# KiCad board FrontEnd_5G.kicad_pcb (continued)
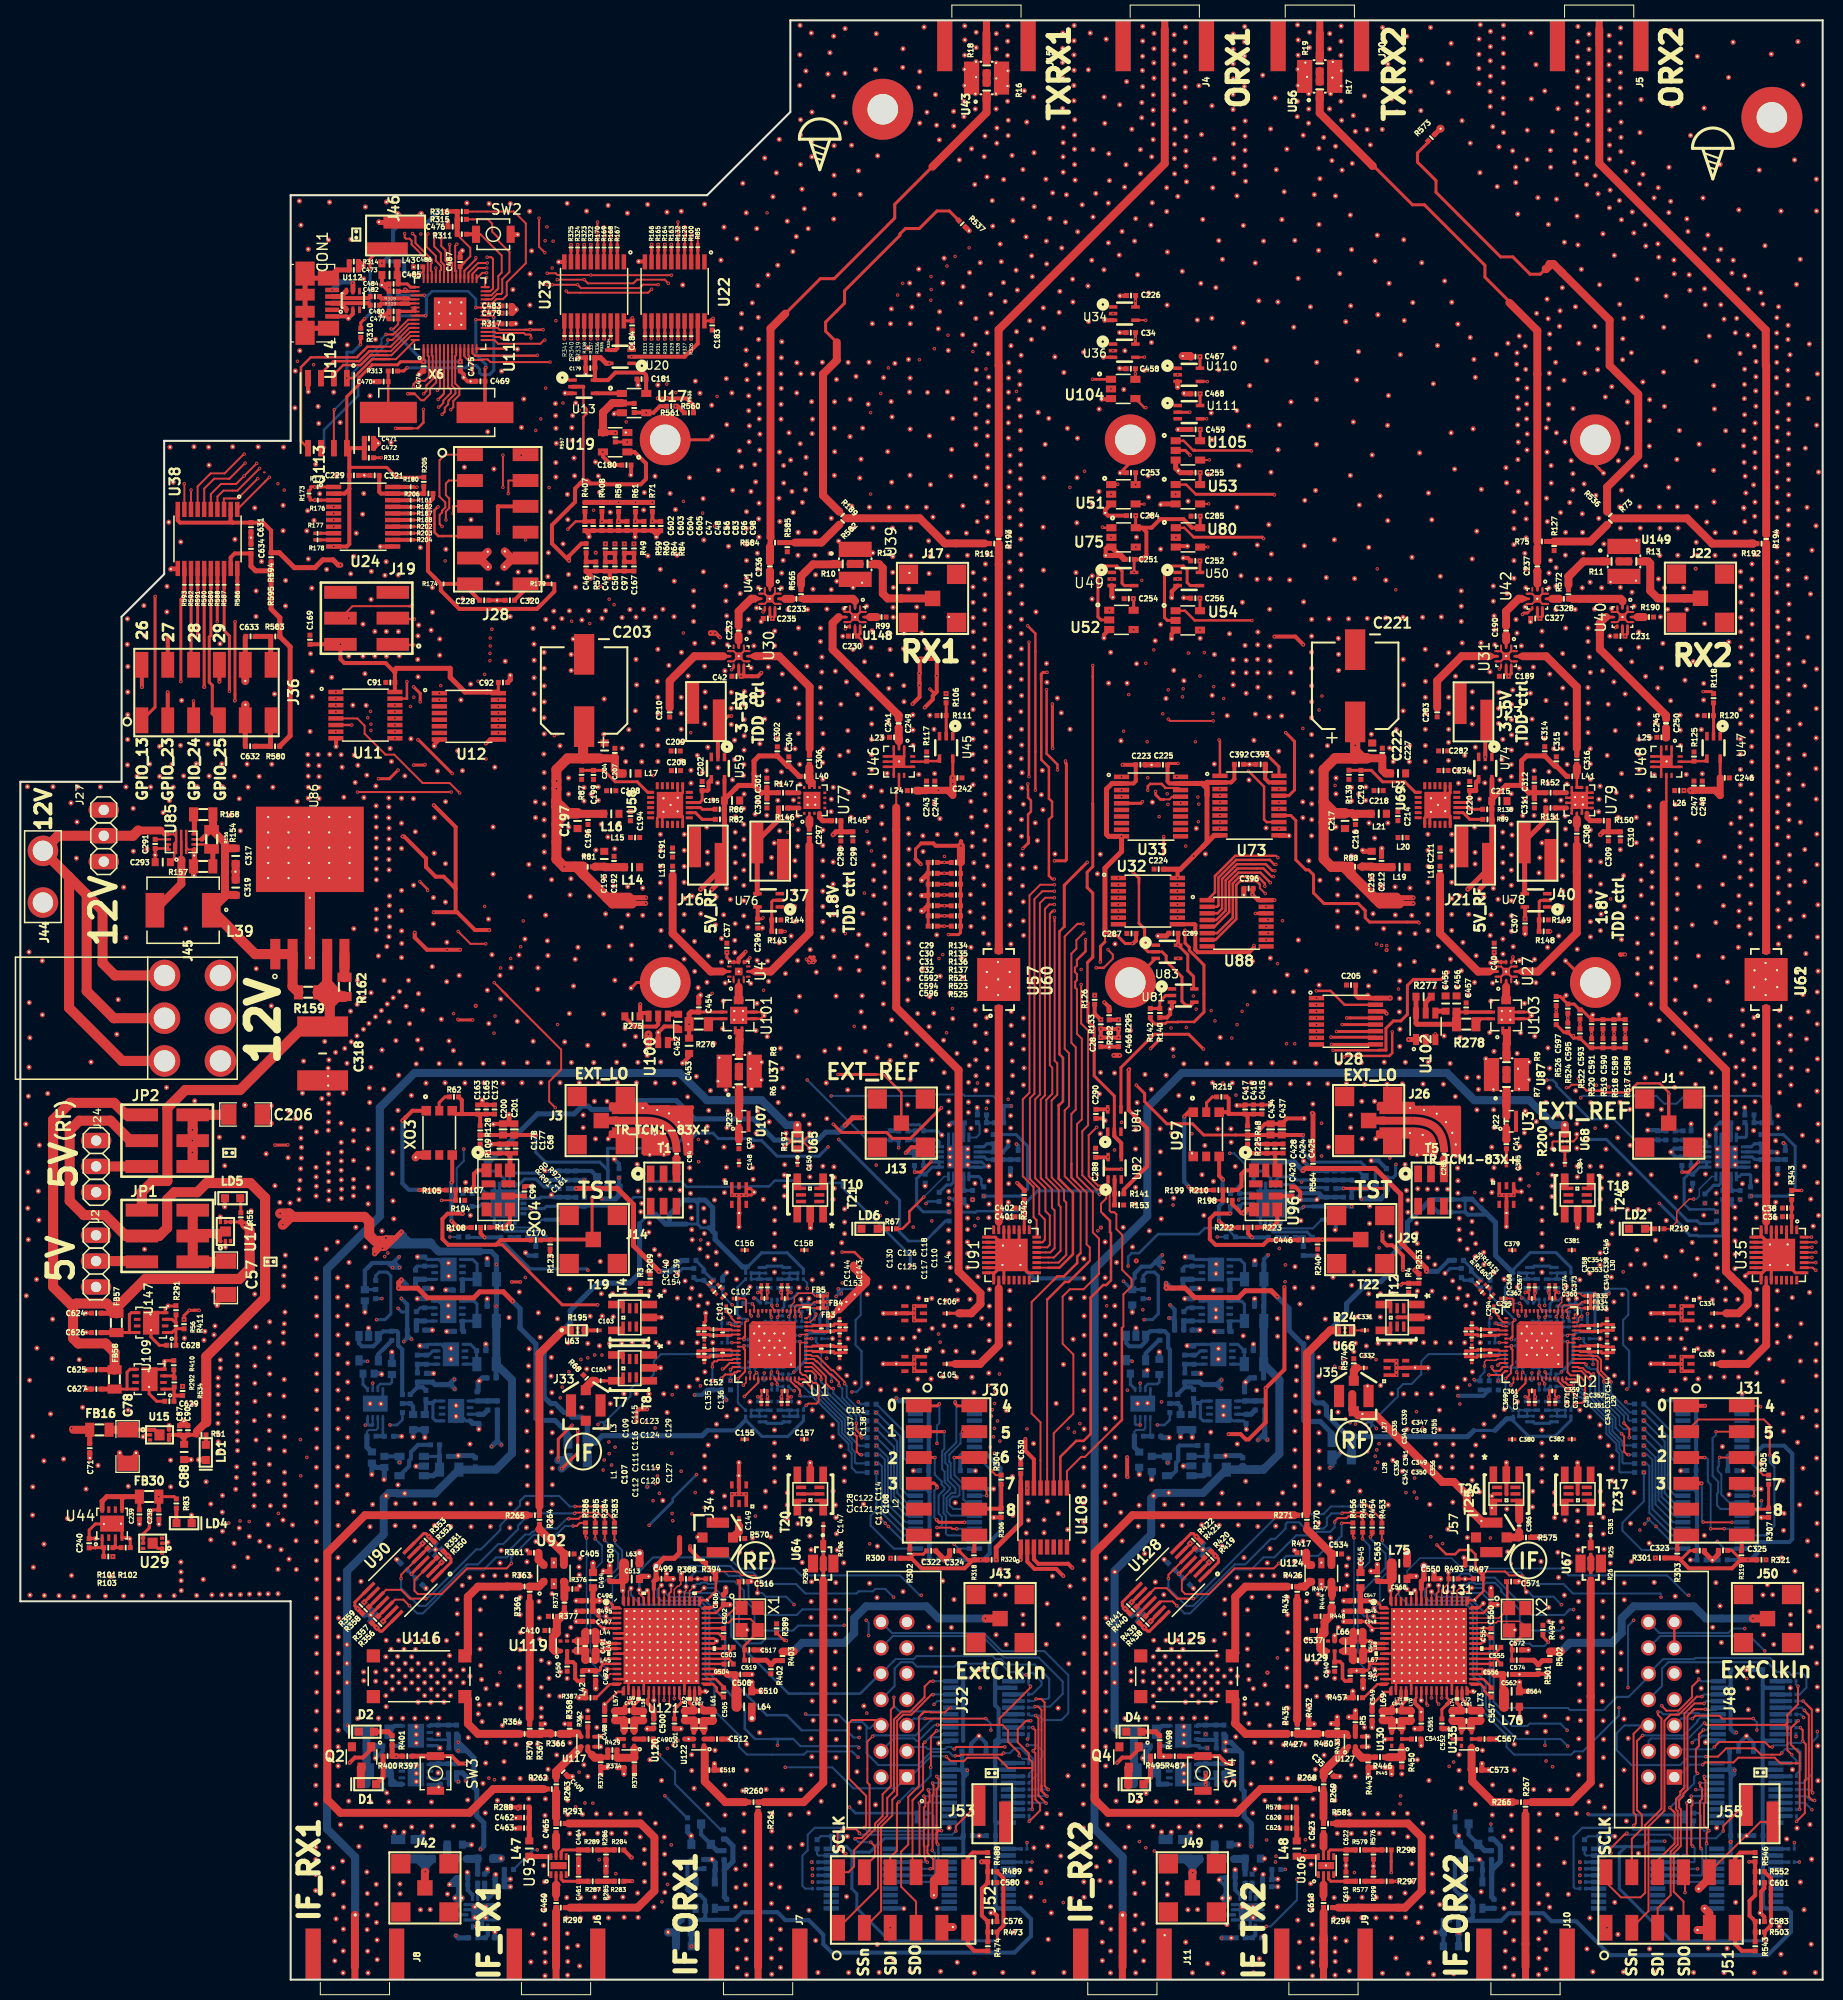
[diagram p0: board, top side]
## Placement (name value [footprint] x y rotation side) (continued)
GND_VIA#658  VAL**  [GND_VIA#3]  135.59 96.45 90 top
GND_VIA#659  VAL**  [GND_VIA#3]  135.59 91.73 90 top
GND_VIA#660  VAL**  [GND_VIA#3]  135.61 93.42 90 top
GND_VIA#661  VAL**  [GND_VIA#3]  135.56 95.12 90 top
GND_VIA#662  VAL**  [GND_VIA#3]  135.59 101.31 90 top
GND_VIA#663  VAL**  [GND_VIA#3]  135.59 99.75 90 top
GND_VIA#664  VAL**  [GND_VIA#3]  135.59 98.17 90 top
GND_VIA#665  VAL**  [GND_VIA#3]  135.59 102.89 90 top
GND_VIA#666  VAL**  [GND_VIA#3]  126.94 128.9 90 top
GND_VIA#667  VAL**  [GND_VIA#3]  126.93 130.48 90 top
GND_VIA#668  VAL**  [GND_VIA#3]  126.94 132.05 90 top
GND_VIA#669  VAL**  [GND_VIA#3]  126.94 125.61 90 top
GND_VIA#670  VAL**  [GND_VIA#3]  126.93 124.03 90 top
GND_VIA#671  VAL**  [GND_VIA#3]  126.93 122.38 90 top
GND_VIA#672  VAL**  [GND_VIA#3]  126.94 127.18 90 top
GND_VIA#673  VAL**  [GND_VIA#3]  132.41 133.8 90 top
GND_VIA#674  VAL**  [GND_VIA#3]  126.94 133.7 90 top
GND_VIA#675  VAL**  [GND_VIA#3]  128.66 133.75 90 top
GND_VIA#676  VAL**  [GND_VIA#3]  130.56 133.75 90 top
GND_VIA#677  VAL**  [GND_VIA#3]  137.84 133.91 90 top
GND_VIA#678  VAL**  [GND_VIA#3]  135.94 133.91 90 top
GND_VIA#679  VAL**  [GND_VIA#3]  134.22 133.84 90 top
GND_VIA#680  VAL**  [GND_VIA#3]  139.69 133.95 90 top
GND_VIA#681  VAL**  [GND_VIA#3]  146.83 144.28 90 top
GND_VIA#682  VAL**  [GND_VIA#3]  146.83 142.62 90 top
GND_VIA#683  VAL**  [GND_VIA#3]  146.81 141.06 90 top
GND_VIA#684  VAL**  [GND_VIA#3]  146.83 139.48 90 top
GND_VIA#685  VAL**  [GND_VIA#3]  159.33 106.58 90 top
GND_VIA#686  VAL**  [GND_VIA#3]  159.33 108.06 90 top
GND_VIA#687  VAL**  [GND_VIA#3]  159.33 109.56 90 top
GND_VIA#688  VAL**  [GND_VIA#3]  111.21 119.41 90 top
GND_VIA#689  VAL**  [GND_VIA#3]  120.83 119.45 90 top
GND_VIA#690  VAL**  [GND_VIA#3]  120.27 106.62 90 top
GND_VIA#691  VAL**  [GND_VIA#3]  90.81 89.16 90 top
GND_VIA#692  VAL**  [GND_VIA#3]  91.21 87.69 90 top
GND_VIA#693  VAL**  [GND_VIA#3]  91.26 86.39 90 top
GND_VIA#694  VAL**  [GND_VIA#3]  94.06 85.73 90 top
GND_VIA#695  VAL**  [GND_VIA#3]  93.2 86.25 90 top
GND_VIA#696  VAL**  [GND_VIA#3]  93.28 89.86 90 top
GND_VIA#697  VAL**  [GND_VIA#3]  93.21 88.2 90 top
GND_VIA#698  VAL**  [GND_VIA#3]  95.09 86.3 90 top
GND_VIA#699  VAL**  [GND_VIA#3]  94.99 91.41 90 top
GND_VIA#700  VAL**  [GND_VIA#3]  93.94 88.84 90 top
GND_VIA#701  VAL**  [GND_VIA#3]  93.93 90.41 90 top
GND_VIA#702  VAL**  [GND_VIA#3]  93.9 87.43 90 top
GND_VIA#703  VAL**  [GND_VIA#3]  95.08 87.98 90 top
GND_VIA#704  VAL**  [GND_VIA#3]  95.12 89.64 90 top
GND_VIA#705  VAL**  [GND_VIA#3]  95 94.56 90 top
GND_VIA#706  VAL**  [GND_VIA#3]  94.94 93.03 90 top
GND_VIA#707  VAL**  [GND_VIA#3]  93.83 92.14 90 top
GND_VIA#708  VAL**  [GND_VIA#3]  93.87 95.31 90 top
GND_VIA#709  VAL**  [GND_VIA#3]  93.88 93.81 90 top
GND_VIA#710  VAL**  [GND_VIA#3]  97.4 93.79 90 top
GND_VIA#711  VAL**  [GND_VIA#3]  97.41 95.17 90 top
GND_VIA#712  VAL**  [GND_VIA#3]  97.39 91.99 90 top
GND_VIA#713  VAL**  [GND_VIA#3]  98.62 92.79 90 top
GND_VIA#714  VAL**  [GND_VIA#3]  98.61 94.5 90 top
GND_VIA#715  VAL**  [GND_VIA#3]  98.67 89.61 90 top
GND_VIA#716  VAL**  [GND_VIA#3]  98.62 87.94 90 top
GND_VIA#717  VAL**  [GND_VIA#3]  97.5 87.19 90 top
GND_VIA#718  VAL**  [GND_VIA#3]  97.51 90.29 90 top
GND_VIA#719  VAL**  [GND_VIA#3]  97.55 88.86 90 top
GND_VIA#720  VAL**  [GND_VIA#3]  98.62 91.46 90 top
GND_VIA#721  VAL**  [GND_VIA#3]  97.25 99.05 90 top
GND_VIA#722  VAL**  [GND_VIA#3]  96.12 96.78 90 top
GND_VIA#723  VAL**  [GND_VIA#3]  97.27 97.56 90 top
GND_VIA#724  VAL**  [GND_VIA#3]  96.12 98.31 90 top
GND_VIA#725  VAL**  [GND_VIA#3]  96.1 100.02 90 top
GND_VIA#726  VAL**  [GND_VIA#3]  95 99.05 90 top
GND_VIA#727  VAL**  [GND_VIA#3]  94.99 97.53 90 top
GND_VIA#728  VAL**  [GND_VIA#3]  98.36 142.98 90 top
GND_VIA#729  VAL**  [GND_VIA#3]  98.37 144.48 90 top
GND_VIA#730  VAL**  [GND_VIA#3]  98.44 137.01 90 top
GND_VIA#731  VAL**  [GND_VIA#3]  98.37 138.56 90 top
GND_VIA#732  VAL**  [GND_VIA#3]  98.36 140.07 90 top
GND_VIA#733  VAL**  [GND_VIA#3]  98.34 141.59 90 top
GND_VIA#734  VAL**  [GND_VIA#3]  97.22 140.84 90 top
GND_VIA#735  VAL**  [GND_VIA#3]  97.24 139.32 90 top
GND_VIA#736  VAL**  [GND_VIA#3]  97.22 137.82 90 top
GND_VIA#737  VAL**  [GND_VIA#3]  97.23 136.24 90 top
GND_VIA#738  VAL**  [GND_VIA#3]  97.25 143.73 90 top
GND_VIA#739  VAL**  [GND_VIA#3]  97.24 142.23 90 top
GND_VIA#740  VAL**  [GND_VIA#3]  97.28 132.96 90 top
GND_VIA#741  VAL**  [GND_VIA#3]  97.3 134.46 90 top
GND_VIA#742  VAL**  [GND_VIA#3]  97.28 125.56 90 top
GND_VIA#743  VAL**  [GND_VIA#3]  97.28 127.06 90 top
GND_VIA#744  VAL**  [GND_VIA#3]  97.27 128.56 90 top
GND_VIA#745  VAL**  [GND_VIA#3]  97.28 130.06 90 top
GND_VIA#746  VAL**  [GND_VIA#3]  97.28 131.56 90 top
GND_VIA#747  VAL**  [GND_VIA#3]  97.24 123.89 90 top
GND_VIA#748  VAL**  [GND_VIA#3]  98.36 124.64 90 top
GND_VIA#749  VAL**  [GND_VIA#3]  98.4 132.31 90 top
GND_VIA#750  VAL**  [GND_VIA#3]  98.41 130.81 90 top
GND_VIA#751  VAL**  [GND_VIA#3]  98.39 129.31 90 top
GND_VIA#752  VAL**  [GND_VIA#3]  98.4 127.81 90 top
GND_VIA#753  VAL**  [GND_VIA#3]  98.42 126.21 90 top
GND_VIA#754  VAL**  [GND_VIA#3]  98.45 135.24 90 top
GND_VIA#755  VAL**  [GND_VIA#3]  98.41 133.71 90 top
GND_VIA#756  VAL**  [GND_VIA#3]  98.59 104.06 90 top
GND_VIA#757  VAL**  [GND_VIA#3]  98.62 102.64 90 top
GND_VIA#758  VAL**  [GND_VIA#3]  97.38 101.78 90 top
GND_VIA#759  VAL**  [GND_VIA#3]  97.28 103.65 90 top
GND_VIA#760  VAL**  [GND_VIA#3]  97.31 106.75 90 top
GND_VIA#761  VAL**  [GND_VIA#3]  97.27 108.24 90 top
GND_VIA#762  VAL**  [GND_VIA#3]  97.25 109.55 90 top
GND_VIA#763  VAL**  [GND_VIA#3]  97.31 105.02 90 top
GND_VIA#764  VAL**  [GND_VIA#3]  98.59 105.94 90 top
GND_VIA#765  VAL**  [GND_VIA#3]  98.47 110.56 90 top
GND_VIA#766  VAL**  [GND_VIA#3]  98.57 109.22 90 top
GND_VIA#767  VAL**  [GND_VIA#3]  98.52 107.51 90 top
GND_VIA#768  VAL**  [GND_VIA#3]  98.44 121.35 90 top
GND_VIA#769  VAL**  [GND_VIA#3]  98.42 122.9 90 top
GND_VIA#770  VAL**  [GND_VIA#3]  98.41 114.02 90 top
GND_VIA#771  VAL**  [GND_VIA#3]  98.6 115.53 90 top
GND_VIA#772  VAL**  [GND_VIA#3]  98.45 117.13 90 top
GND_VIA#773  VAL**  [GND_VIA#3]  98.47 118.63 90 top
GND_VIA#774  VAL**  [GND_VIA#3]  98.4 120 90 top
GND_VIA#775  VAL**  [GND_VIA#3]  98.42 112.38 90 top
GND_VIA#776  VAL**  [GND_VIA#3]  97.24 111.58 90 top
GND_VIA#777  VAL**  [GND_VIA#3]  97.28 119.25 90 top
GND_VIA#778  VAL**  [GND_VIA#3]  97.28 117.75 90 top
GND_VIA#779  VAL**  [GND_VIA#3]  97.27 116.25 90 top
GND_VIA#780  VAL**  [GND_VIA#3]  97.28 114.75 90 top
GND_VIA#781  VAL**  [GND_VIA#3]  97.25 113.09 90 top
GND_VIA#782  VAL**  [GND_VIA#3]  97.3 122.15 90 top
GND_VIA#783  VAL**  [GND_VIA#3]  97.28 120.65 90 top
GND_VIA#784  VAL**  [GND_VIA#3]  93.65 136.88 90 top
GND_VIA#785  VAL**  [GND_VIA#4]  93.67 138.4 90 top
GND_VIA#786  VAL**  [GND_VIA#3]  94.87 139.14 90 top
GND_VIA#787  VAL**  [GND_VIA#3]  94.81 137.66 90 top
GND_VIA#788  VAL**  [GND_VIA#3]  94.81 134.62 90 top
GND_VIA#789  VAL**  [GND_VIA#3]  94.81 136.12 90 top
GND_VIA#790  VAL**  [GND_VIA#3]  94.8 128.73 90 top
GND_VIA#791  VAL**  [GND_VIA#3]  94.78 130.23 90 top
GND_VIA#792  VAL**  [GND_VIA#3]  94.81 131.73 90 top
GND_VIA#793  VAL**  [GND_VIA#3]  94.8 133.24 90 top
GND_VIA#794  VAL**  [GND_VIA#3]  93.68 132.49 90 top
GND_VIA#795  VAL**  [GND_VIA#3]  93.69 130.98 90 top
GND_VIA#796  VAL**  [GND_VIA#3]  93.67 129.48 90 top
GND_VIA#797  VAL**  [GND_VIA#3]  93.6 127.85 90 top
GND_VIA#798  VAL**  [GND_VIA#3]  93.66 135.37 90 top
GND_VIA#799  VAL**  [GND_VIA#3]  93.66 133.87 90 top
GND_VIA#800  VAL**  [GND_VIA#3]  93.44 101.47 90 top
GND_VIA#801  VAL**  [GND_VIA#3]  93.44 103.52 90 top
GND_VIA#802  VAL**  [GND_VIA#3]  93.36 104.95 90 top
GND_VIA#803  VAL**  [GND_VIA#3]  93.4 106.65 90 top
GND_VIA#804  VAL**  [GND_VIA#3]  94.69 105.78 90 top
GND_VIA#805  VAL**  [GND_VIA#3]  94.71 104.37 90 top
GND_VIA#806  VAL**  [GND_VIA#3]  94.68 102.86 90 top
GND_VIA#807  VAL**  [GND_VIA#3]  95 113.39 90 top
GND_VIA#808  VAL**  [GND_VIA#3]  94.85 114.9 90 top
GND_VIA#809  VAL**  [GND_VIA#3]  94.72 107.59 90 top
GND_VIA#810  VAL**  [GND_VIA#3]  95.06 109.42 90 top
GND_VIA#811  VAL**  [GND_VIA#3]  94.74 110.59 90 top
GND_VIA#812  VAL**  [GND_VIA#3]  94.8 111.99 90 top
GND_VIA#813  VAL**  [GND_VIA#3]  93.56 111.39 90 top
GND_VIA#814  VAL**  [GND_VIA#3]  93.73 109.78 90 top
GND_VIA#815  VAL**  [GND_VIA#3]  93.72 108.28 90 top
GND_VIA#816  VAL**  [GND_VIA#3]  93.5 114.27 90 top
GND_VIA#817  VAL**  [GND_VIA#3]  93.62 112.74 90 top
GND_VIA#818  VAL**  [GND_VIA#3]  93.1 140 90 top
GND_VIA#819  VAL**  [GND_VIA#3]  93.66 124.84 90 top
GND_VIA#820  VAL**  [GND_VIA#3]  93.67 126.34 90 top
GND_VIA#821  VAL**  [GND_VIA#3]  93.66 117.45 90 top
GND_VIA#822  VAL**  [GND_VIA#3]  93.65 118.95 90 top
GND_VIA#823  VAL**  [GND_VIA#3]  93.64 120.45 90 top
GND_VIA#824  VAL**  [GND_VIA#3]  93.66 121.95 90 top
GND_VIA#825  VAL**  [GND_VIA#3]  93.65 123.46 90 top
GND_VIA#826  VAL**  [GND_VIA#3]  93.44 115.81 90 top
GND_VIA#827  VAL**  [GND_VIA#3]  94.82 116.52 90 top
GND_VIA#828  VAL**  [GND_VIA#3]  94.89 124.17 90 top
GND_VIA#829  VAL**  [GND_VIA#3]  94.91 122.69 90 top
GND_VIA#830  VAL**  [GND_VIA#3]  94.9 121.15 90 top
GND_VIA#831  VAL**  [GND_VIA#3]  94.9 119.73 90 top
GND_VIA#832  VAL**  [GND_VIA#3]  94.9 118.23 90 top
GND_VIA#833  VAL**  [GND_VIA#3]  94.83 127.1 90 top
GND_VIA#834  VAL**  [GND_VIA#3]  94.85 125.59 90 top
GND_VIA#835  VAL**  [GND_VIA#3]  95.08 140.07 90 top
GND_VIA#836  VAL**  [GND_VIA#3]  98.31 148.91 90 top
GND_VIA#837  VAL**  [GND_VIA#3]  98.33 150.41 90 top
GND_VIA#838  VAL**  [GND_VIA#3]  98.31 146 90 top
GND_VIA#839  VAL**  [GND_VIA#3]  98.31 147.52 90 top
GND_VIA#840  VAL**  [GND_VIA#3]  97.17 146.71 90 top
GND_VIA#841  VAL**  [GND_VIA#3]  97.19 145.25 90 top
GND_VIA#842  VAL**  [GND_VIA#3]  97.28 149.82 90 top
GND_VIA#843  VAL**  [GND_VIA#3]  97.29 148.21 90 top
GND_VIA#844  VAL**  [GND_VIA#3]  97.15 157.43 90 top
GND_VIA#845  VAL**  [GND_VIA#3]  97.16 158.93 90 top
GND_VIA#846  VAL**  [GND_VIA#3]  97.14 151.53 90 top
GND_VIA#847  VAL**  [GND_VIA#3]  97.12 153.03 90 top
GND_VIA#848  VAL**  [GND_VIA#3]  97.15 154.53 90 top
GND_VIA#849  VAL**  [GND_VIA#3]  97.14 156.04 90 top
GND_VIA#850  VAL**  [GND_VIA#3]  98.25 156.79 90 top
GND_VIA#851  VAL**  [GND_VIA#3]  98.18 155.32 90 top
GND_VIA#852  VAL**  [GND_VIA#3]  98.31 153.67 90 top
GND_VIA#853  VAL**  [GND_VIA#3]  98.3 152.25 90 top
GND_VIA#854  VAL**  [GND_VIA#3]  98.38 159.66 90 top
GND_VIA#855  VAL**  [GND_VIA#3]  98.24 158.1 90 top
GND_VIA#856  VAL**  [GND_VIA#3]  173.78 162.61 90 top
GND_VIA#857  VAL**  [GND_VIA#3]  172.84 164.43 90 top
GND_VIA#858  VAL**  [GND_VIA#3]  173.77 156.71 90 top
GND_VIA#859  VAL**  [GND_VIA#3]  173.75 158.21 90 top
GND_VIA#860  VAL**  [GND_VIA#3]  173.96 159.71 90 top
GND_VIA#861  VAL**  [GND_VIA#3]  173.77 161.22 90 top
GND_VIA#862  VAL**  [GND_VIA#3]  172.65 160.47 90 top
GND_VIA#863  VAL**  [GND_VIA#3]  172.66 158.96 90 top
GND_VIA#864  VAL**  [GND_VIA#3]  172.64 157.46 90 top
GND_VIA#865  VAL**  [GND_VIA#3]  172.65 155.96 90 top
GND_VIA#866  VAL**  [GND_VIA#3]  172.67 163.36 90 top
GND_VIA#867  VAL**  [GND_VIA#3]  172.66 161.86 90 top
GND_VIA#868  VAL**  [GND_VIA#3]  172.71 152.59 90 top
GND_VIA#869  VAL**  [GND_VIA#3]  172.72 154.09 90 top
GND_VIA#870  VAL**  [GND_VIA#3]  172.71 145.19 90 top
GND_VIA#871  VAL**  [GND_VIA#3]  172.69 146.69 90 top
GND_VIA#872  VAL**  [GND_VIA#3]  172.69 148.19 90 top
GND_VIA#873  VAL**  [GND_VIA#3]  172.71 149.69 90 top
GND_VIA#874  VAL**  [GND_VIA#3]  172.69 151.19 90 top
GND_VIA#875  VAL**  [GND_VIA#3]  173.81 151.94 90 top
GND_VIA#876  VAL**  [GND_VIA#3]  173.83 150.44 90 top
GND_VIA#877  VAL**  [GND_VIA#3]  173.81 148.94 90 top
GND_VIA#878  VAL**  [GND_VIA#3]  173.81 147.44 90 top
GND_VIA#879  VAL**  [GND_VIA#3]  173.83 145.94 90 top
GND_VIA#880  VAL**  [GND_VIA#3]  173.84 154.84 90 top
GND_VIA#881  VAL**  [GND_VIA#3]  173.83 153.34 90 top
GND_VIA#882  VAL**  [GND_VIA#3]  169.49 156.8 90 top
GND_VIA#883  VAL**  [GND_VIA#3]  169.5 158.3 90 top
GND_VIA#884  VAL**  [GND_VIA#3]  169.47 155.41 90 top
GND_VIA#885  VAL**  [GND_VIA#3]  170.59 156.16 90 top
GND_VIA#886  VAL**  [GND_VIA#3]  170.61 154.65 90 top
GND_VIA#887  VAL**  [GND_VIA#3]  170.62 159.05 90 top
GND_VIA#888  VAL**  [GND_VIA#3]  170.61 157.55 90 top
GND_VIA#889  VAL**  [GND_VIA#3]  170.53 151.5 90 top
GND_VIA#890  VAL**  [GND_VIA#3]  170.53 153 90 top
GND_VIA#891  VAL**  [GND_VIA#3]  170.53 148.61 90 top
GND_VIA#892  VAL**  [GND_VIA#3]  170.52 150.12 90 top
GND_VIA#893  VAL**  [GND_VIA#3]  169.42 152.25 90 top
GND_VIA#894  VAL**  [GND_VIA#3]  169.41 150.75 90 top
GND_VIA#895  VAL**  [GND_VIA#3]  169.5 153.81 90 top
GND_VIA#896  VAL**  [GND_VIA#3]  169.55 147.77 90 top
GND_VIA#897  VAL**  [GND_VIA#3]  170.39 146.92 90 top
GND_VIA#898  VAL**  [GND_VIA#3]  94.94 146.93 90 top
GND_VIA#899  VAL**  [GND_VIA#3]  93.87 147.69 90 top
GND_VIA#900  VAL**  [GND_VIA#3]  93.92 153.86 90 top
GND_VIA#901  VAL**  [GND_VIA#3]  93.95 150.86 90 top
GND_VIA#902  VAL**  [GND_VIA#3]  93.92 152.48 90 top
GND_VIA#903  VAL**  [GND_VIA#3]  95.07 149.84 90 top
GND_VIA#904  VAL**  [GND_VIA#3]  95.09 148.62 90 top
GND_VIA#905  VAL**  [GND_VIA#3]  95.08 151.73 90 top
GND_VIA#906  VAL**  [GND_VIA#3]  95.19 157.52 90 top
GND_VIA#907  VAL**  [GND_VIA#3]  95.14 159.82 90 top
GND_VIA#908  VAL**  [GND_VIA#3]  95.17 154.66 90 top
GND_VIA#909  VAL**  [GND_VIA#3]  95.19 156.25 90 top
GND_VIA#910  VAL**  [GND_VIA#3]  93.89 155.37 90 top
GND_VIA#911  VAL**  [GND_VIA#3]  93.98 158.24 90 top
GND_VIA#912  VAL**  [GND_VIA#3]  93.93 156.91 90 top
GND_VIA#913  VAL**  [GND_VIA#3]  95.08 145.23 90 top
GND_VIA#914  VAL**  [GND_VIA#3]  76.46 142.25 90 top
GND_VIA#915  VAL**  [GND_VIA#3]  153.57 142.24 90 top
GND_VIA#916  VAL**  [GND_VIA#3]  155.16 143.63 90 top
GND_VIA#917  VAL**  [GND_VIA#3]  157.23 144.76 90 top
GND_VIA#918  VAL**  [GND_VIA#3]  159.18 144.77 90 top
GND_VIA#919  VAL**  [GND_VIA#3]  161.12 144.75 90 top
GND_VIA#920  VAL**  [GND_VIA#3]  95.11 142.31 90 top
GND_VIA#921  VAL**  [GND_VIA#3]  168.56 142.23 90 top
GND_VIA#922  VAL**  [GND_VIA#3]  166.61 142.22 90 top
GND_VIA#923  VAL**  [GND_VIA#3]  164.78 144.76 90 top
GND_VIA#924  VAL**  [GND_VIA#3]  162.89 144.77 90 top
GND_VIA#925  VAL**  [GND_VIA#3]  162.95 142.68 90 top
GND_VIA#926  VAL**  [GND_VIA#3]  164.75 141.28 90 top
GND_VIA#927  VAL**  [GND_VIA#3]  91.17 139.93 90 top
GND_VIA#928  VAL**  [GND_VIA#3]  161.18 142.66 90 top
GND_VIA#929  VAL**  [GND_VIA#3]  159.24 142.68 90 top
GND_VIA#930  VAL**  [GND_VIA#3]  157.29 142.67 90 top
GND_VIA#931  VAL**  [GND_VIA#3]  155.66 141.11 90 top
GND_VIA#932  VAL**  [GND_VIA#3]  78.11 140 90 top
GND_VIA#933  VAL**  [GND_VIA#3]  76.44 140 90 top
GND_VIA#934  VAL**  [GND_VIA#3]  72.57 159.42 90 top
GND_VIA#935  VAL**  [GND_VIA#3]  72.63 157.85 90 top
GND_VIA#936  VAL**  [GND_VIA#3]  72.66 156.43 90 top
GND_VIA#937  VAL**  [GND_VIA#3]  72.64 154.86 90 top
GND_VIA#938  VAL**  [GND_VIA#3]  72.68 150.34 90 top
GND_VIA#939  VAL**  [GND_VIA#3]  72.7 151.91 90 top
GND_VIA#940  VAL**  [GND_VIA#3]  72.64 153.4 90 top
GND_VIA#941  VAL**  [GND_VIA#3]  74.81 159.42 90 top
GND_VIA#942  VAL**  [GND_VIA#3]  74.78 153.38 90 top
GND_VIA#943  VAL**  [GND_VIA#3]  74.78 154.84 90 top
GND_VIA#944  VAL**  [GND_VIA#3]  74.8 156.41 90 top
GND_VIA#945  VAL**  [GND_VIA#3]  74.76 157.84 90 top
GND_VIA#946  VAL**  [GND_VIA#3]  70.69 150.26 90 top
GND_VIA#947  VAL**  [GND_VIA#3]  75.56 152.04 90 top
GND_VIA#948  VAL**  [GND_VIA#3]  76.66 150.97 90 top
GND_VIA#949  VAL**  [GND_VIA#3]  77.24 149.63 90 top
GND_VIA#950  VAL**  [GND_VIA#3]  77.19 148.03 90 top
GND_VIA#951  VAL**  [GND_VIA#3]  77.18 146.44 90 top
GND_VIA#952  VAL**  [GND_VIA#3]  76.88 145.2 90 top
GND_VIA#953  VAL**  [GND_VIA#3]  75.04 147.1 90 top
GND_VIA#954  VAL**  [GND_VIA#3]  74.63 150.14 90 top
GND_VIA#955  VAL**  [GND_VIA#3]  75.03 148.82 90 top
GND_VIA#956  VAL**  [GND_VIA#3]  74.58 145.61 90 top
GND_VIA#957  VAL**  [GND_VIA#3]  72.53 138.64 90 top
GND_VIA#958  VAL**  [GND_VIA#3]  71.39 137.75 90 top
GND_VIA#959  VAL**  [GND_VIA#3]  72.54 136.81 90 top
GND_VIA#960  VAL**  [GND_VIA#3]  72.46 140.21 90 top
GND_VIA#961  VAL**  [GND_VIA#3]  72.61 141.79 90 top
GND_VIA#962  VAL**  [GND_VIA#3]  72.59 143.59 90 top
GND_VIA#963  VAL**  [GND_VIA#3]  72.62 145.12 90 top
GND_VIA#964  VAL**  [GND_VIA#3]  72.28 147.21 90 top
GND_VIA#965  VAL**  [GND_VIA#3]  71.82 146.27 90 top
GND_VIA#966  VAL**  [GND_VIA#3]  71.38 144.29 90 top
GND_VIA#967  VAL**  [GND_VIA#3]  71.38 142.63 90 top
GND_VIA#968  VAL**  [GND_VIA#3]  71.38 141.06 90 top
GND_VIA#969  VAL**  [GND_VIA#3]  71.38 139.49 90 top
GND_VIA#970  VAL**  [GND_VIA#3]  72.2 148.92 90 top
GND_VIA#971  VAL**  [GND_VIA#3]  70.9 148.71 90 top
GND_VIA#972  VAL**  [GND_VIA#3]  75.98 144.21 90 top
GND_VIA#973  VAL**  [GND_VIA#3]  74.66 143.32 90 top
GND_VIA#974  VAL**  [GND_VIA#3]  81.85 136.84 90 top
GND_VIA#975  VAL**  [GND_VIA#3]  74.84 138.25 90 top
GND_VIA#976  VAL**  [GND_VIA#3]  74.82 136.78 90 top
GND_VIA#977  VAL**  [GND_VIA#3]  75.79 136.78 90 top
GND_VIA#978  VAL**  [GND_VIA#3]  77.92 136.67 90 top
GND_VIA#979  VAL**  [GND_VIA#3]  79.72 136.63 90 top
GND_VIA#980  VAL**  [GND_VIA#3]  74.98 139.5 90 top
GND_VIA#981  VAL**  [GND_VIA#3]  73.66 135.73 90 top
GND_VIA#982  VAL**  [GND_VIA#3]  77.38 134.67 90 top
GND_VIA#983  VAL**  [GND_VIA#3]  79.28 134.71 90 top
GND_VIA#984  VAL**  [GND_VIA#3]  80.96 134.75 90 top
GND_VIA#985  VAL**  [GND_VIA#3]  75.46 134.67 90 top
GND_VIA#986  VAL**  [GND_VIA#3]  82.06 133.92 90 top
GND_VIA#987  VAL**  [GND_VIA#3]  83.19 135 90 top
GND_VIA#988  VAL**  [GND_VIA#3]  72.82 133.49 90 top
GND_VIA#989  VAL**  [GND_VIA#3]  72.37 134.83 90 top
GND_VIA#990  VAL**  [GND_VIA#3]  83.72 132.58 90 top
GND_VIA#991  VAL**  [GND_VIA#3]  85.81 133.92 90 top
GND_VIA#992  VAL**  [GND_VIA#3]  80.85 132.04 90 top
GND_VIA#993  VAL**  [GND_VIA#3]  81.85 130.74 90 top
GND_VIA#994  VAL**  [GND_VIA#3]  83.64 130.94 90 top
GND_VIA#995  VAL**  [GND_VIA#3]  82.98 129.54 90 top
GND_VIA#996  VAL**  [GND_VIA#3]  70.76 136.24 90 top
GND_VIA#997  VAL**  [GND_VIA#3]  69.36 135.51 90 top
GND_VIA#998  VAL**  [GND_VIA#3]  69.44 134.05 90 top
GND_VIA#999  VAL**  [GND_VIA#3]  69.49 132.68 90 top
GND_VIA#1000  VAL**  [GND_VIA#3]  69.5 131.21 90 top
GND_VIA#1001  VAL**  [GND_VIA#3]  69.36 136.98 90 top
GND_VIA#1002  VAL**  [GND_VIA#3]  71.58 133.69 90 top
GND_VIA#1003  VAL**  [GND_VIA#3]  72.1 131.09 90 top
GND_VIA#1004  VAL**  [GND_VIA#3]  70.62 130.09 90 top
GND_VIA#1005  VAL**  [GND_VIA#3]  71.82 128.94 90 top
GND_VIA#1006  VAL**  [GND_VIA#3]  69.25 128.65 90 top
GND_VIA#1007  VAL**  [GND_VIA#3]  74.15 131.12 90 top
GND_VIA#1008  VAL**  [GND_VIA#3]  76.19 130.36 90 top
GND_VIA#1009  VAL**  [GND_VIA#3]  74.16 132.55 90 top
GND_VIA#1010  VAL**  [GND_VIA#5]  71.7 132.36 90 top
GND_VIA#1011  VAL**  [GND_VIA#3]  76.49 132.85 90 top
GND_VIA#1012  VAL**  [GND_VIA#3]  78.79 130 90 top
GND_VIA#1013  VAL**  [GND_VIA#3]  78.66 132.84 90 top
GND_VIA#1014  VAL**  [GND_VIA#3]  78.66 131.53 90 top
GND_VIA#1015  VAL**  [GND_VIA#3]  78.78 128.52 90 top
GND_VIA#1016  VAL**  [GND_VIA#3]  78.65 127 90 top
GND_VIA#1017  VAL**  [GND_VIA#3]  78.68 125.48 90 top
GND_VIA#1018  VAL**  [GND_VIA#3]  78.69 124 90 top
GND_VIA#1019  VAL**  [GND_VIA#3]  89.41 124.28 90 top
GND_VIA#1020  VAL**  [GND_VIA#3]  89.81 122.9 90 top
GND_VIA#1021  VAL**  [GND_VIA#3]  87.74 124.31 90 top
GND_VIA#1022  VAL**  [GND_VIA#3]  87.75 122.83 90 top
GND_VIA#1023  VAL**  [GND_VIA#3]  87.75 121.31 90 top
GND_VIA#1024  VAL**  [GND_VIA#3]  88.32 118.46 90 top
GND_VIA#1025  VAL**  [GND_VIA#3]  89.88 118.55 90 top
GND_VIA#1026  VAL**  [GND_VIA#3]  89.87 115.67 90 top
GND_VIA#1027  VAL**  [GND_VIA#3]  83.88 109.56 90 top
GND_VIA#1028  VAL**  [GND_VIA#3]  83.88 108.06 90 top
GND_VIA#1029  VAL**  [GND_VIA#3]  83.88 106.58 90 top
GND_VIA#1030  VAL**  [GND_VIA#3]  83.69 118.92 90 top
GND_VIA#1031  VAL**  [GND_VIA#3]  83.68 120.42 90 top
GND_VIA#1032  VAL**  [GND_VIA#3]  83.66 121.92 90 top
GND_VIA#1033  VAL**  [GND_VIA#3]  83.69 123.42 90 top
GND_VIA#1034  VAL**  [GND_VIA#3]  83.41 114.24 90 top
GND_VIA#1035  VAL**  [GND_VIA#3]  84.94 112.1 90 top
GND_VIA#1036  VAL**  [GND_VIA#3]  85.01 107.37 90 top
GND_VIA#1037  VAL**  [GND_VIA#3]  84.97 108.88 90 top
GND_VIA#1038  VAL**  [GND_VIA#3]  84.96 110.39 90 top
GND_VIA#1039  VAL**  [GND_VIA#3]  84.84 95.9 90 top
GND_VIA#1040  VAL**  [GND_VIA#3]  84.88 97.97 90 top
GND_VIA#1041  VAL**  [GND_VIA#3]  84.9 99.47 90 top
GND_VIA#1042  VAL**  [GND_VIA#3]  84.88 100.98 90 top
GND_VIA#1043  VAL**  [GND_VIA#3]  85 105.78 90 top
GND_VIA#1044  VAL**  [GND_VIA#3]  85 104.27 90 top
GND_VIA#1045  VAL**  [GND_VIA#3]  84.99 102.77 90 top
GND_VIA#1046  VAL**  [GND_VIA#3]  84.68 113.61 90 top
GND_VIA#1047  VAL**  [GND_VIA#3]  85.21 118.56 90 top
GND_VIA#1048  VAL**  [GND_VIA#3]  84.71 115.31 90 top
GND_VIA#1049  VAL**  [GND_VIA#3]  84.66 116.83 90 top
GND_VIA#1050  VAL**  [GND_VIA#3]  86.38 119.74 90 top
GND_VIA#1051  VAL**  [GND_VIA#3]  87.28 114.12 90 top
GND_VIA#1052  VAL**  [GND_VIA#3]  87.34 112.62 90 top
GND_VIA#1053  VAL**  [GND_VIA#3]  87.34 111.12 90 top
GND_VIA#1054  VAL**  [GND_VIA#3]  87.32 109.62 90 top
GND_VIA#1055  VAL**  [GND_VIA#3]  87.43 105.21 90 top
GND_VIA#1056  VAL**  [GND_VIA#3]  87.44 108.22 90 top
GND_VIA#1057  VAL**  [GND_VIA#3]  87.32 103.42 90 top
GND_VIA#1058  VAL**  [GND_VIA#3]  87.34 101.91 90 top
GND_VIA#1059  VAL**  [GND_VIA#3]  87.31 100.41 90 top
GND_VIA#1060  VAL**  [GND_VIA#3]  87.28 98.34 90 top
GND_VIA#1061  VAL**  [GND_VIA#3]  87.23 96.28 90 top
GND_VIA#1062  VAL**  [GND_VIA#3]  87.24 115.51 90 top
GND_VIA#1063  VAL**  [GND_VIA#3]  87.44 106.72 90 top
GND_VIA#1064  VAL**  [GND_VIA#3]  81.44 116.68 90 top
GND_VIA#1065  VAL**  [GND_VIA#3]  80.66 125.36 90 top
GND_VIA#1066  VAL**  [GND_VIA#3]  80.56 120.33 90 top
GND_VIA#1067  VAL**  [GND_VIA#3]  81.97 118.55 90 top
GND_VIA#1068  VAL**  [GND_VIA#3]  81.34 122.77 90 top
GND_VIA#1069  VAL**  [GND_VIA#3]  81.66 114.25 90 top
GND_VIA#1070  VAL**  [GND_VIA#3]  79.91 117.19 90 top
GND_VIA#1071  VAL**  [GND_VIA#3]  79.72 116.03 90 top
GND_VIA#1072  VAL**  [GND_VIA#3]  79.69 114.81 90 top
GND_VIA#1073  VAL**  [GND_VIA#3]  82.94 116.34 90 top
GND_VIA#1074  VAL**  [GND_VIA#3]  85.38 126.91 90 top
GND_VIA#1075  VAL**  [GND_VIA#3]  84.33 128.17 90 top
GND_VIA#1076  VAL**  [GND_VIA#3]  86.87 125.61 90 top
GND_VIA#1077  VAL**  [GND_VIA#3]  80.12 128.61 90 top
GND_VIA#1078  VAL**  [GND_VIA#3]  81.21 127.56 90 top
GND_VIA#1079  VAL**  [GND_VIA#3]  82.31 126.33 90 top
GND_VIA#1080  VAL**  [GND_VIA#3]  83.65 124.93 90 top
GND_VIA#1081  VAL**  [GND_VIA#3]  85.33 123.59 90 top
GND_VIA#1082  VAL**  [GND_VIA#3]  84.78 122.09 90 top
GND_VIA#1083  VAL**  [GND_VIA#3]  77.31 129.09 90 top
GND_VIA#1084  VAL**  [GND_VIA#3]  70.21 121.83 270 top
GND_VIA#1085  VAL**  [GND_VIA#3]  70.21 119.93 270 top
GND_VIA#1086  VAL**  [GND_VIA#3]  70.01 117.93 270 top
GND_VIA#1087  VAL**  [GND_VIA#3]  71.13 119.43 90 top
GND_VIA#1088  VAL**  [GND_VIA#3]  71.15 120.86 90 top
GND_VIA#1089  VAL**  [GND_VIA#3]  71.16 122.25 90 top
GND_VIA#1090  VAL**  [GND_VIA#3]  71.15 123.84 90 top
GND_VIA#1091  VAL**  [GND_VIA#3]  71.15 125.34 90 top
GND_VIA#1092  VAL**  [GND_VIA#3]  71.18 126.61 90 top
GND_VIA#1093  VAL**  [GND_VIA#3]  71.09 118.37 90 top
GND_VIA#1094  VAL**  [GND_VIA#3]  69.89 123.37 270 top
GND_VIA#1095  VAL**  [GND_VIA#3]  69.88 124.96 270 top
GND_VIA#1096  VAL**  [GND_VIA#3]  69.89 126.53 270 top
GND_VIA#1097  VAL**  [GND_VIA#3]  74.54 125.74 90 top
GND_VIA#1098  VAL**  [GND_VIA#3]  73.53 129.02 90 top
GND_VIA#1099  VAL**  [GND_VIA#3]  74.9 128.33 90 top
GND_VIA#1100  VAL**  [GND_VIA#3]  73.17 123.91 90 top
GND_VIA#1101  VAL**  [GND_VIA#3]  74.4 122 90 top
GND_VIA#1102  VAL**  [GND_VIA#3]  73 126.46 90 top
GND_VIA#1103  VAL**  [GND_VIA#3]  76.62 119.45 90 top
GND_VIA#1104  VAL**  [GND_VIA#3]  76.18 126.95 90 top
GND_VIA#1105  VAL**  [GND_VIA#3]  76.52 125.4 90 top
GND_VIA#1106  VAL**  [GND_VIA#3]  76.5 122.49 90 top
GND_VIA#1107  VAL**  [GND_VIA#3]  76.54 124.03 90 top
GND_VIA#1108  VAL**  [GND_VIA#3]  73.12 94.77 90 top
GND_VIA#1109  VAL**  [GND_VIA#3]  69.04 93.47 90 top
GND_VIA#1110  VAL**  [GND_VIA#3]  69.1 96.19 90 top
GND_VIA#1111  VAL**  [GND_VIA#3]  72.31 93.28 90 top
GND_VIA#1112  VAL**  [GND_VIA#3]  72.41 95.96 90 top
GND_VIA#1113  VAL**  [GND_VIA#3]  70.18 94.35 90 top
GND_VIA#1114  VAL**  [GND_VIA#3]  71.03 94.36 90 top
GND_VIA#1115  VAL**  [GND_VIA#3]  71.03 95.21 90 top
GND_VIA#1116  VAL**  [GND_VIA#3]  70.19 95.2 90 top
GND_VIA#1117  VAL**  [GND_VIA#3]  67.5 98.03 90 top
GND_VIA#1118  VAL**  [GND_VIA#3]  69.28 97.97 90 top
GND_VIA#1119  VAL**  [GND_VIA#3]  73.56 98.11 90 top
GND_VIA#1120  VAL**  [GND_VIA#3]  71.8 97.92 90 top
GND_VIA#1121  VAL**  [GND_VIA#3]  66.85 96.77 90 top
GND_VIA#1122  VAL**  [GND_VIA#3]  66.63 97.5 90 top
GND_VIA#1123  VAL**  [GND_VIA#3]  76.63 117.49 90 top
GND_VIA#1124  VAL**  [GND_VIA#3]  74.46 115.91 90 top
GND_VIA#1125  VAL**  [GND_VIA#3]  72.47 115.86 90 top
GND_VIA#1126  VAL**  [GND_VIA#3]  70.24 100.95 90 top
GND_VIA#1127  VAL**  [GND_VIA#3]  70.28 109.78 90 top
